# Altium PCB Interface_board.PcbDoc (part 3 of 3)
Units mm, origin at the board's own origin, x right, y up, seen from the top; angles counter-clockwise.
Board outline 158 x 108 mm, 4 copper layers (Component Side, GND, Power plane, Solder Side), stack 1.426 mm thick; 260 components, 154 nets, 862 pads, 877 vias.
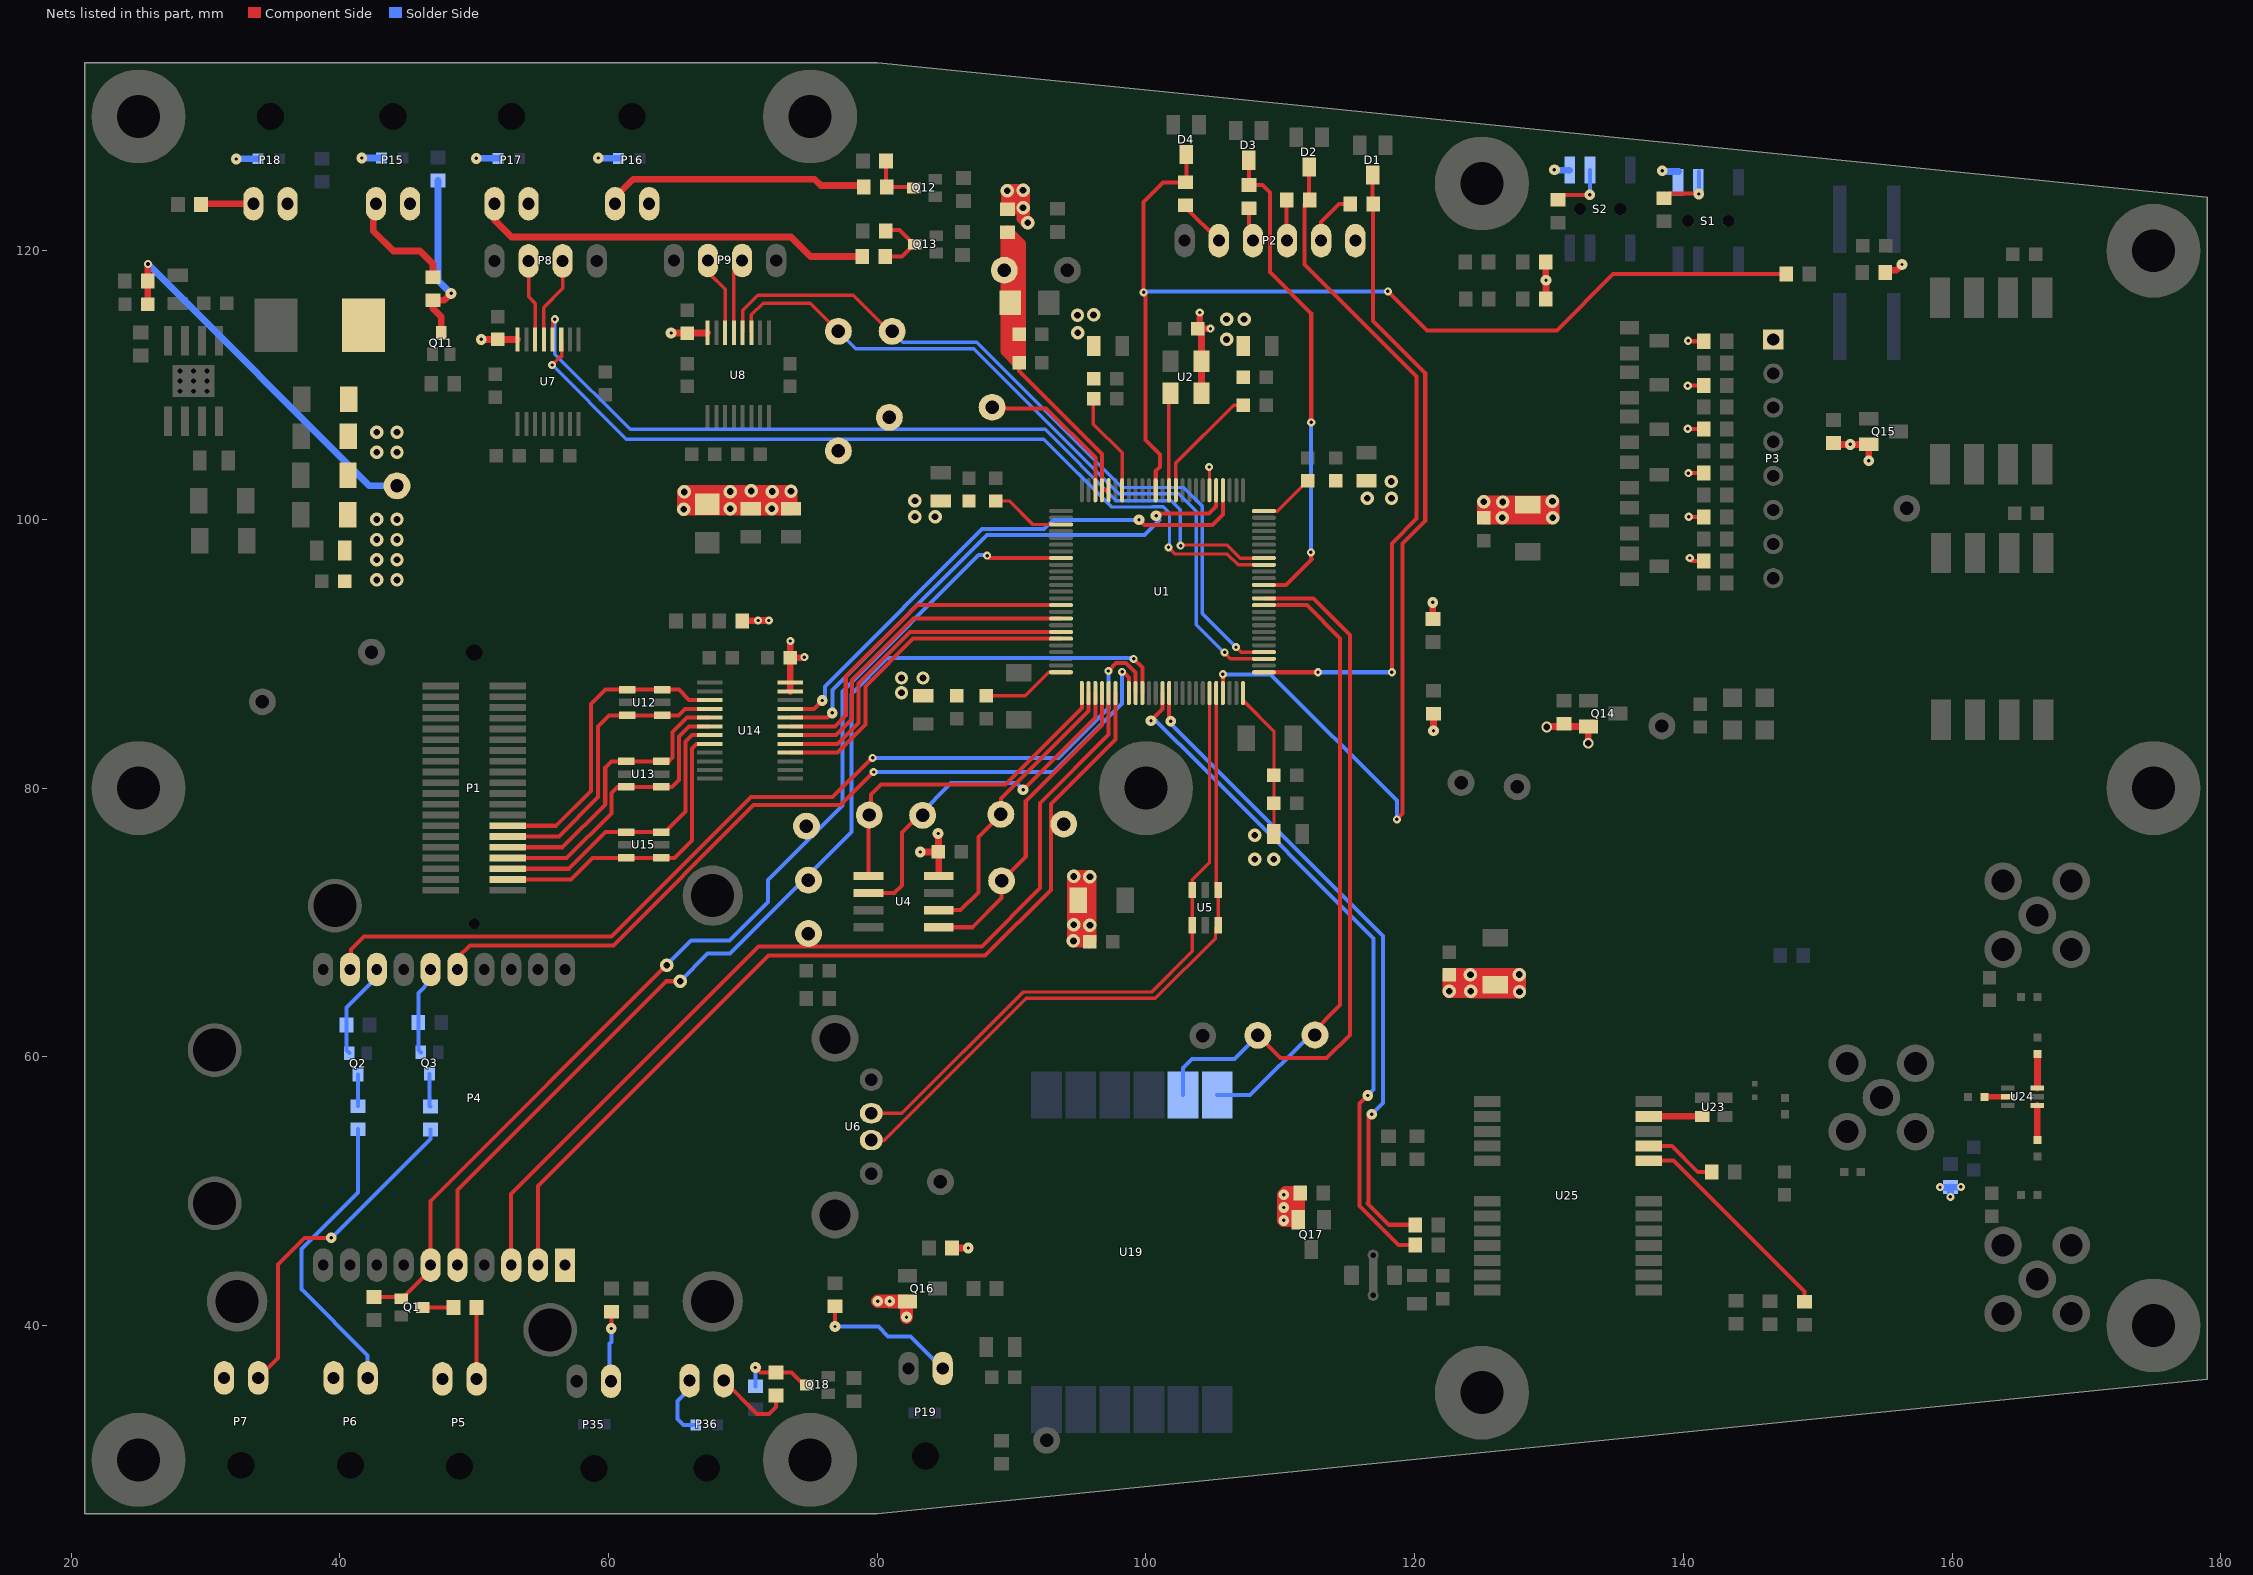
[diagram p5: the nets of this part, all layers, seen from the top]

## Via types
v1: diameter 0.6, hole 0.25, Component Side to Solder Side, 578 vias
v2: diameter 1, hole 0.5, Component Side to Solder Side, 175 vias
v3: diameter 0.8, hole 0.25, Component Side to Solder Side, 116 vias
v4: diameter 0.8, hole 0.5, Component Side to Solder Side, 4 vias
v5: diameter 2, hole 1, Component Side to Solder Side, 2 vias
v6: diameter 1.27, hole 0.711, Component Side to Solder Side, 1 vias
v7: diameter 0.6, hole 0.3, Component Side to Solder Side, 1 vias

## Nets (pads, with @x,y where several pads share a name; then routed paths per layer and width w, separated by ;. In a path a pad name is that pad's centre, name@x,y a point inside that pad or via, vN(x,y) a via of type N, cw(c..) or ccw(c..) an arc to the next point about the centre after c; other vN are vias at no path point) (continued)
NetFB12_1: FB12.1 U25.8 | length 16.4
  Component Side w0.3: U25.8@137.42,52.266 139.259,52.266 149,42.525 FB12.1@149,41.775
NetP1_28: P1.28 U12.1 U12.6 U14.3 | length 23.3
  Component Side w0.3: P1.28@52.5,77.2 56.1,77.2 58.7,79.8 58.7,86.25 59.775,87.325 U12.1@61.375,87.325 U12.6@63.996,87.325 65.225,87.325 66,86.55 U14.3@67.525,86.55
NetP1_30: P1.30 U12.3 U12.4 U14.4 | length 22.1
  Component Side w0.3: P1.30@52.5,76.4 56.3,76.4 59.225,79.325 59.225,84.6 60.035,85.41 U12.3@61.375,85.41 U12.4@63.996,85.41 65.185,85.41 65.675,85.9 U14.4@67.525,85.9
NetP1_32: P1.32 U13.1 U13.6 U14.5 | length 21.7
  Component Side w0.3: P1.32@52.5,75.6 56.55,75.6 59.75,78.8 59.75,81.55 60.2,82 U13.1@61.3,82 U13.6@63.921,82 64.475,82 64.74,82.265 64.74,84.165 65.825,85.25 U14.5@67.525,85.25
NetP1_34: P1.34 U13.3 U13.4 U14.6 | length 21.9
  Component Side w0.3: P1.34@52.5,74.8 56.875,74.8 60.2,78.125 60.2,79.625 60.66,80.085 U13.3@61.3,80.085 U13.4@63.921,80.085 64.69,80.085 64.7,80.075 65.225,80.6 65.225,83.85 65.975,84.6 U14.6@67.525,84.6
NetP1_36: P1.36 U14.7 U15.1 U15.6 | length 22.2
  Component Side w0.3: P1.36@52.5,74 57.05,74 59.775,76.725 U15.1@61.3,76.725 U15.6@63.921,76.725 64.2,76.725 65.725,78.25 65.725,83.475 66.2,83.95 U14.7@67.525,83.95
NetP1_38: P1.38 U14.8 U15.3 U15.4 | length 23.2
  Component Side w0.3: P1.38@52.5,73.2 57.2,73.2 58.81,74.81 U15.3@61.3,74.81 U15.4@63.921,74.81 64.91,74.81 66.2,76.1 66.2,82.95 66.55,83.3 U14.8@67.525,83.3
NetP2_2: P2.2 R7.1 | length 4.9
  Component Side w0.3: P2.2@113.04,119.91 P2.2@113.04,120.75 113.04,122.14 114.375,123.475 R7.1@115.2,123.475
NetP2_3: P2.3 R8.1 | length 3.4
  Component Side w0.3: R8.1@110.475,123.775 110.475,120.775 P2.3@110.5,120.75 P2.3@110.5,120.375
NetP2_4: P2.4 R9.1 | length 2.6
  Component Side w0.3: R9.1@107.65,123.175 107.65,121.06 P2.4@107.96,120.75
NetP2_5: P2.5 R16.1 | length 3.6
  Component Side w0.3: R16.1@102.95,123.375 102.95,123.22 P2.5@105.42,120.75
NetP4_13: P4.13 Q2.1 R34.2 | length 7.3
  Solder Side w0.3: Q2.1@40.7,60.275 40.486,60.489 R34.2@40.486,62.375 40.486,63.661 42.75,65.925 P4.13@42.75,66.5
NetP4_15: P4.15 Q3.1 R35.2 | length 6.6
  Solder Side w0.3: Q3.1@46.025,60.325 45.836,60.514 R35.2@45.836,62.55 45.836,64.761 46.75,65.675 P4.15@46.75,66.5
NetP5_2: P5.2 R30.2 | length 5.3
  Component Side w0.3: R30.2@50.164,41.35 50.164,36.031 P5.2@50.17,36.025
NetP6_2: P6.2 R31.2 | length 22.3
  Solder Side w0.3: R31.2@41.35,54.611 41.35,49.9 37.15,45.7 37.15,42.7 42.07,37.78 P6.2@42.07,36.1
NetP7_2: P7.2 R32.2 | length 25
  Component Side w0.3: P7.2@33.92,36.1 35.4,37.58 35.4,38.9 35.375,38.925 35.375,44.55 37.35,46.525 v3(39.35,46.525)
  Solder Side w0.3: v3(39.35,46.525) 39.375,46.525 46.725,53.875 R32.2@46.725,54.586
NetP8_2: P8.2 U7.14 | length 6.1
  Component Side w0.254: P8.2@54.04,119.25 54.04,116.56 54.525,116.075 U7.14@54.525,113.4
NetP8_3: P8.3 U7.13 | length 6.4
  Component Side w0.254: U7.13@55.175,113.4 55.175,115.775 56.6,117.2 56.6,119.23 P8.3@56.58,119.25
NetP9_2: P9.2 U8.14 | length 5.9
  Component Side w0.254: P9.2@67.42,119.25 67.42,118.38 68.675,117.125 U8.14@68.675,113.9
NetP9_3: P9.3 U8.13 | length 5.6
  Component Side w0.254: U8.13@69.325,113.9 69.325,118.615 P9.3@69.96,119.25
NetP15_2: P15.2 R54.2 | length 8.5
  Component Side w0.5: P15.2@42.48,123.5 42.48,121.47 43.975,119.975 45.95,119.975 46.925,119 R54.2@46.925,118.039
NetP16_2: P16.2 R56.2 | length 19.8
  Component Side w0.5: P16.2@60.48,123.5 60.48,123.98 61.825,125.325 75.325,125.325 75.8,124.85 78.886,124.85 R56.2@78.986,124.75
NetP17_2: P17.2 R58.2 | length 29.7
  Component Side w0.5: P17.2@51.5,123.5 51.5,122.3 52.775,121.025 73.575,121.025 75.025,119.575 R58.2@78.886,119.575
NetP18_2: P18.2 R60.2 | length 3.9
  Component Side w0.5: R60.2@29.664,123.45 29.714,123.5 P18.2@33.56,123.5
NetP19_2: P19.2 R68.2 | length 10.8
  Component Side w0.3: v3(76.85,39.925) R68.2@76.85,41.436
  Solder Side w0.3: v3(76.85,39.925) 80.075,39.925 80.8,39.2 82.47,39.2 P19.2@84.87,36.8
NetP35_2: P35.2 R85.2 | length 5.2
  Component Side w0.3: v3(60.2,39.775) 60.225,39.8 R85.2@60.225,41
  Solder Side w0.3: P35.2@60.07,35.9 60.07,38.645 60.2,38.775 v3(60.2,39.775)
NetP36_2: P36.2 R87.2 | length 6
  Component Side w0.3: P36.2@68.57,35.9 71.045,33.425 71.95,33.425 72.475,33.95 R87.2@72.475,34.786
NetQ1_3: Q1.3 R30.1 | length 2.3
  Component Side w0.3: Q1.3@46.175,41.35 R30.1@48.45,41.35
NetQ2_3: Q2.3 R31.1 | length 2.3
  Solder Side w0.3: R31.1@41.35,56.325 Q2.3@41.35,58.675
NetQ3_3: Q3.3 R32.1 | length 2.4
  Solder Side w0.3: Q3.3@46.675,58.725 46.675,56.35 R32.1@46.725,56.3
NetQ11_3: Q11.3 R53.1 R54.1 | length 13
  Component Side w0.5: Q11.3@47.55,113.9 47.55,115.075 46.925,115.7 R54.1@46.925,116.325 47.775,116.325 v3(48.275,116.825)
  Solder Side w0.5: R53.1@47.3,125.225 47.3,117.8 v3(48.275,116.825)
NetQ12_3: Q12.3 R55.1 R56.1 | length 4
  Component Side w0.3: R55.1@80.65,126.675 80.65,124.8 R56.1@80.7,124.75 82.625,124.75 Q12.3@82.7,124.675
NetQ13_3: Q13.3 R57.1 R58.1 | length 5.1
  Component Side w0.3: R58.1@80.6,119.575 81.825,119.575 Q13.3@82.725,120.475 ; R57.1@80.625,121.475 80.7,121.55 81.65,121.55 Q13.3@82.725,120.475 ; Q13.3@82.775,120.475 Q13.3@82.725,120.475
NetQ18_3: Q18.3 R87.1 R88.1 | length 5.8
  Component Side w0.3: v3(70.925,36.875) 71.3,36.5 R87.1@72.475,36.5 73.6,36.5 74.525,35.575 Q18.3@74.75,35.575
  Solder Side w0.3: R88.1@70.925,35.475 v3(70.925,36.875)
NetR24_1: R24.1 S1.2 | length 4.4
  Component Side w0.3: R24.1@138.55,123.9 138.9,124.25 141.125,124.25 v3(141.15,124.225)
  Solder Side w0.3: v3(141.15,124.225) S1.2@141.15,125.9
NetR27_1: R27.1 S2.2 | length 4.3
  Component Side w0.3: R27.1@130.675,123.8 131.025,124.15 133,124.15 v3(133.025,124.175)
  Solder Side w0.3: v3(133.025,124.175) 133.05,124.2 S2.2@133.05,126
NetR84_1: R84.1 U25.9 | length 5.5
  Component Side w0.28: U25.9@137.42,53.358 139.142,53.358 141.075,51.425 R84.1@142.1,51.425
NetTP1_1: TP1.1 U1.23 | length 11.7
  Component Side w0.3: TP1.1@88.55,108.425 88.7,108.275 92.55,108.275 96.225,104.6 U1.23@96.225,102.175
NetU1_12: U1.12 U2.3 | length 7.3
  Component Side w0.254: U1.12@101.725,102.175 101.7,102.2 101.7,108.85 101.8,108.95 101.8,109.35 U2.3@101.825,109.375
NRST: D4.3 R4.1 R16.2 U1.14 | length 78.7
  Component Side w0.3: U1.14@100.725,102.175 100.725,103.6 101.025,103.9 101.025,104.85 99.975,105.9 99.975,116.75 v1(99.825,116.9) 99.825,123.639 101.275,125.089 R16.2@102.95,125.089 103,125.139 D4.3@103,127.157 ; v1(118,116.975) 120.9,114.075 130.575,114.075 134.775,118.275 R4.1@147.65,118.275
  Solder Side w0.3: v1(99.825,116.9) 99.9,116.975 v1(118,116.975)
OTG_FS_DM: U1.70 U5.1 U5.6 U6.2 | length 48.6
  Component Side w0.25: U6.2@79.55,55.8 81.825,55.8 90.85,64.825 100.425,64.825 103.45,67.85 U5.1@103.45,69.8 U5.6@103.45,72.421 103.45,73.175 104.725,74.45 U1.70@104.725,87.075
OTG_FS_DP: U1.71 U5.3 U5.4 U6.3 | length 50.2
  Component Side w0.25: U6.3@79.55,53.8 80.525,53.8 91.075,64.35 100.7,64.35 105.175,68.825 105.175,69.61 U5.3@105.365,69.8 U5.4@105.365,72.421 105.225,72.561 U1.71@105.225,87.075
RF1: C113.2 U24.1 | length 2.3
  Component Side w0.5: U24.1@166.35,56.375 166.35,54.047 C113.2@166.36,54.037
RF2: C115.2 U24.3 | length 2.5
  Component Side w0.5: U24.3@166.35,57.675 166.361,57.686 C115.2@166.361,60.207
RF_IN: U23.3 U25.11 | length 4
  Component Side w0.5: U25.11@137.42,55.568 141.382,55.568 U23.3@141.4,55.55
RFC: C114.1 U24.5 | length 1.7
  Component Side w0.4: C114.1@162.425,57.025 U24.5@164.15,57.025
SPI2_MISO: TP12.1 U1.53 U4.2 | length 26.8
  Component Side w0.3: U4.2@79.35,72.185 81.26,72.185 81.825,72.75 81.825,76.7 TP12.1@83.1,77.975 ; v3(90.85,79.875) 96.225,85.25 U1.53@96.225,87.075
  Solder Side w0.3: TP12.1@83.1,77.975 85.5,80.375 90.35,80.375 v3(90.85,79.875)
SPI2_MOSI: TP13.1 U1.54 U4.5 | length 23.9
  Component Side w0.3: U4.5@84.566,69.645 87.07,69.645 89.25,71.825 TP13.1@89.25,73.1 91.05,74.9 91.05,79.025 96.725,84.7 U1.54@96.725,87.075
SPI2_NSS: TP10.1 U1.51 U4.1 | length 25.6
  Component Side w0.3: U4.1@79.35,73.455 79.35,77.95 TP10.1@79.4,78 79.525,78.125 79.525,79.525 80.275,80.275 89.55,80.275 95.225,85.95 U1.51@95.225,87.075
SPI2_SCK: TP11.1 U1.52 U4.6 | length 21.7
  Component Side w0.3: U4.6@84.566,70.915 86.19,70.915 87.525,72.25 87.525,76.375 TP11.1@89.2,78.05 89.2,79.225 95.725,85.75 U1.52@95.725,87.075
SWCLK: D2.3 R8.2 U1.76 | length 51.6
  Component Side w0.3: U1.76@108.775,88.625 v1(112.8,88.625) ; D2.3@112.15,126.232 R8.2@112.15,123.814 ; R8.2@112.189,123.775 R8.2@112.15,123.814 ; v1(118.3,88.625) 118.3,98.225 120.15,100.075 120.15,110.625 111.8,118.975 111.8,123.464 R8.2@112.15,123.814
  Solder Side w0.3: v1(112.8,88.625) 118.25,88.625 118.275,88.65 v1(118.3,88.625)
SWDIO: D1.3 R7.2 U1.72 | length 70.1
  Component Side w0.3: U1.72@105.725,87.075 v1(105.725,88.475) ; D1.3@116.875,125.632 116.875,123.514 R7.2@116.914,123.475 116.914,114.766 120.785,110.895 120.785,99.885 119.1,98.2 119.1,78.1 v1(118.675,77.675)
  Solder Side w0.3: v1(105.725,88.475) 109.275,88.475 118.675,79.075 v1(118.675,77.675)
SWO: D3.3 R9.2 U1.89 | length 36.9
  Component Side w0.3: D3.3@107.65,126.732 R9.2@107.65,124.889 108.686,124.889 109.225,124.35 109.225,118.4 112.3,115.325 v1(112.3,107.225) ; U1.89@108.775,95.125 110.425,95.125 112.35,97.05 112.275,97.125 v1(112.275,97.55)
  Solder Side w0.3: v1@112.225,107.4 112.3,107.325 v1(112.3,107.225) 112.35,107.175 112.275,107.1 v1(112.275,97.55)
TIM1_CH1: U1.40 U14.19 | length 25.6
  Component Side w0.3: U14.19@73.525,84.6 76.85,84.6 77.65,85.4 77.65,88.3 82.975,93.625 U1.40@93.675,93.625
TIM1_CH2: U1.42 U14.18 | length 25.4
  Component Side w0.3: U14.18@73.525,83.95 76.937,83.95 78.12,85.133 78.12,88.04 82.705,92.625 U1.42@93.675,92.625
TIM1_CH3: U1.44 U14.17 | length 25.3
  Component Side w0.3: U14.17@73.525,83.3 77.05,83.3 78.598,84.848 78.598,87.773 82.45,91.625 U1.44@93.675,91.625
TIM1_CH4: U1.45 U14.16 | length 25.3
  Component Side w0.3: U14.16@73.525,82.65 77.05,82.65 79.125,84.725 79.125,87.575 82.675,91.125 U1.45@93.675,91.125
TIM9_CH1: U1.4 U14.21 | length 40.8
  Component Side w0.3: U14.21@73.525,85.9 75.275,85.9 v3(75.9,86.525) ; v3(99.475,99.975) 99.875,99.575 104.937,99.575 105.735,100.373 105.725,100.383 U1.4@105.725,102.175
  Solder Side w0.3: v3(75.9,86.525) 76.1,86.725 76.1,87.575 87.8,99.275 92.4,99.275 93.1,99.975 v3(99.475,99.975)
TIM9_CH2: U1.5 U14.20 | length 41
  Component Side w0.3: U14.20@73.525,85.25 76.3,85.25 v3(76.65,85.6) ; v3(100.75,100.275) 100.9,100.425 104.675,100.425 105.225,100.975 U1.5@105.225,102.175
  Solder Side w0.3: v3(76.65,85.6) 76.65,87.3 88.175,98.825 99.875,98.825 101,99.95 100.75,100.2 v3(100.75,100.275)
UART2_RX: TP36.1 U1.87 U19.5 | length 54.2
  Component Side w0.3: TP36.1@108.325,61.6 110.025,59.9 113.45,59.9 115.175,61.625 115.175,91.4 112.45,94.125 U1.87@108.775,94.125
  Solder Side w0.3: U19.5@102.76,57.15 102.76,59.185 103.425,59.85 106.575,59.85 TP36.1@108.325,61.6
UART2_TX: TP37.1 U1.86 U19.6 | length 45.9
  Component Side w0.3: U1.86@108.775,93.625 111.975,93.625 114.45,91.15 114.45,63.85 TP37.1@112.2,61.6
  Solder Side w0.3: U19.6@105.3,57.15 107.75,57.15 TP37.1@112.2,61.6
UART6_RX: FB7.1 U1.64 | length 49.2
  Component Side w0.3: U1.64@101.725,87.075 101.725,85.1 v3(101.85,84.975) ; v3(116.8,55.725) 116.8,55.7 116.575,55.475 116.575,49.175 116.5,49.1 118.1,47.5 FB7.1@120.05,47.5
  Solder Side w0.3: v3(101.85,84.975) 101.85,84.78 117.625,69.005 117.625,56.55 v3(116.8,55.725)
UART6_TX: FB8.1 U1.63 | length 51.4
  Component Side w0.3: v3(100.375,85.025) 101.225,85.875 U1.63@101.225,87.075 ; v3(116.5,57.125) 115.9,56.525 115.9,48.9 118.8,46 FB8.1@120.05,46
  Solder Side w0.3: v3(100.375,85.025) 100.725,85.025 104.193,81.557 116.95,68.8 116.95,57.575 v3(116.5,57.125)
USART1_RX: TP20.1 U1.93 U7.12 | length 65.7
  Component Side w0.254: U7.12@55.825,113.4 55.825,114.725 v1(56,114.9) ; v1(102.575,98.05) 102.625,98.1 106.025,98.1 107,97.125 U1.93@108.775,97.125
  Solder Side w0.254: v1(56,114.9) 56,112.3 61.6,106.7 TP20.1@80.9,106.7 ; TP20.1@80.9,107.6 TP20.1@80.9,106.7 ; v1@102.55,98.05 102.55,100.725 101.875,101.4 97.8,101.4 92.5,106.7 TP20.1@80.9,106.7
USART1_TX: TP22.1 U1.92 U7.11 | length 63.9
  Component Side w0.254: v1(55.8,111.5) 56.4,112.1 56.5,112.1 56.5,113.375 U7.11@56.475,113.4 ; v1(101.675,97.925) 102.175,97.425 106.06,97.425 106.86,96.625 U1.92@108.775,96.625
  Solder Side w0.254: v1(55.8,111.5) 61.325,105.975 TP22.1@77.2,105.975 ; TP22.1@77.1,105.1 77.2,105.2 TP22.1@77.2,105.975 ; v1@101.75,97.925 101.75,100.475 101.273,100.952 100.47,100.952 100.443,100.925 97.451,100.925 92.401,105.975 TP22.1@77.2,105.975
USART3_CTS: P4.16 U1.58 | length 62.4
  Component Side w0.3: P4.16@48.75,66.5 48.75,67.375 49.675,68.3 60.35,68.3 70.785,78.735 77.26,78.735 v1(79.725,81.2) ; v1(98.225,88.65) 98.325,88.65 98.725,88.25 U1.58@98.725,87.075
  Solder Side w0.3: v1(79.725,81.2) 93.125,81.2 98.225,86.3 v1(98.225,88.65)
USART3_RTS: P4.12 U1.59 | length 72.2
  Component Side w0.3: P4.12@40.75,66.5 40.825,66.575 40.825,67.975 41.8,68.95 60.225,68.95 70.6,79.325 76.675,79.325 79.6,82.25 v1(79.65,82.25) ; v1(97.2,88.717) 97.783,89.3 98.525,89.3 99.225,88.6 U1.59@99.225,87.075
  Solder Side w0.3: v1(79.65,82.25) 93.5,82.25 97.2,85.95 v1(97.2,88.717)
USART3_RX: P4.2 TP14.1 U1.56 | length 69.8
  Component Side w0.3: P4.2@54.75,44.5 54.75,50.375 71.9,67.525 88.025,67.525 92.925,72.425 92.925,78.825 97.725,83.625 U1.56@97.725,87.075
USART3_TX: P4.3 TP15.1 U1.55 | length 70.7
  Component Side w0.3: P4.3@52.75,44.5 52.75,49.8 71.15,68.2 87.775,68.2 92.125,72.55 92.125,78.875 97.225,83.975 U1.55@97.225,87.075
USART4_RX: TP21.1 U1.79 U8.12 | length 57.3
  Component Side w0.254: U8.12@69.975,113.9 69.975,115.575 71.1,116.7 78.2,116.7 TP21.1@81.5,113.4 ; v1(106.7,90.5) 107.075,90.125 U1.79@108.775,90.125
  Solder Side w0.254: TP21.1@81.1,114 81.9,113.2 87.4,113.2 98.225,102.375 102.825,102.375 104.2,101 104.2,93 v1(106.7,90.5)
USART4_TX: TP23.1 U1.78 U8.11 | length 55.8
  Component Side w0.254: U8.11@70.625,113.9 70.625,115.225 71.5,116.1 75,116.1 TP23.1@77.1,114 ; v1(105.855,90.104) 105.855,90.045 106.26,89.64 106.779,89.64 106.794,89.625 U1.78@108.775,89.625
  Solder Side w0.254: TP23.1@77.1,114 78.4,112.7 87.175,112.7 97.975,101.9 102.45,101.9 103.75,100.6 103.75,92.15 105.796,90.104 v1(105.855,90.104)
VDD: C1.2 C5.2 C6.2 C7.2 C8.2 C9.2 C10.2 C11.2 C12.2 C13.1 C14.2 C15.2 C16.2 C17.2 C18.2 C19.2 C20.2 C21.2 C22.2 C23.2 C24.2 C25.2 C30.2 C31.2 C32.2 C33.2 C34.2 C35.2 C36.2 C41.2 C43.2 C44.2 C47.2 C50.2 C75.2 C76.2 C77.2 C79.2 C80.2 D16.A D17.A D18.A D19.A D29.A FB2.1 FB6.2 L1.2 P2.1 P3.1 P4.1 P5.1 P6.1 P7.1 P15.1 P16.1 P17.1 P18.1 P36.1 Q14.2 Q15.2 Q16.2 Q17.2 R1.2 R2.2 R3.2 R5.2 R10.2 R11.2 R12.2 R13.2 R14.2 R15.2 R23.2 R26.2 R51.2 R64.2 R65.2 R66.2 R83.2 S1.3 S2.3 TP9.1 U1.6 U1.11 U1.19 U1.28 U1.50 U1.75 U1.100 U2.1 U2.4 U4.8 U7.16 U8.16 U14.23 U14.24 | length 242.3
  Component Side w0.254: C50.2@65.85,113.875 65.875,113.9 U8.16@67.375,113.9 ; C19.2@88.125,86.875 91.025,86.875 92.775,88.625 U1.50@93.675,88.625 ; C17.2@88.875,101.425 C17.2@88.825,101.375 89.825,101.375 91.575,99.625 U1.28@93.675,99.625 ; C10.2@96.125,108.975 96.075,108.925 96.075,107.1 98.223,104.952 98.223,102.177 U1.19@98.225,102.175 ; U1.11@102.225,102.175 102.225,104.2 106.525,108.5 C8.2@107.25,108.5 ; v1(104.7,103.9) 104.725,103.875 U1.6@104.725,102.175 ; U1.75@107.225,87.075 107.225,86.525 109.525,84.225 C23.2@109.525,80.975 C22.2@109.525,78.875 C20.2@109.525,76.575 ; U1.100@108.775,100.625 109.768,100.625 109.875,100.732 109.882,100.732 C24.2@112.025,102.875 ; C23.2@109.175,80.975 C23.2@109.175,81.375
  Component Side w0.3: v1(140.325,106.75) 140.357,106.718 R12.2@141.525,106.718 ; v1(140.325,109.95) 140.339,109.964 R11.2@141.525,109.964 ; v1(140.35,113.3) 140.386,113.264 R10.2@141.525,113.264 ; v1(140.375,103.45) 140.38,103.445 R13.2@141.525,103.445 ; v1(140.4,100.2) 140.427,100.173 R14.2@141.525,100.173 ; v1(140.475,97.125) 140.475,97.062 140.637,96.9 R15.2@141.525,96.9
  Component Side w0.5: C30.2@25.7,116.025 25.7,117.739 R5.2@25.689,117.75 25.689,118.989 v7(25.7,119) ; L1.2@41.75,114.45 L1.2@41.75,114.925 ; v3(50.525,113.4) C47.2@51.75,113.4 U7.16@53.225,113.4 ; v3(64.65,113.875) C50.2@65.85,113.875 67.35,113.875 U8.16@67.375,113.9 ; R51.2@69.939,92.45 71.1,92.45 v1(71.125,92.475) v1(71.925,92.475) ; U14.23@73.525,87.2 U14.24@73.525,87.85 v1(73.525,90.95) ; C77.2@73.525,89.7 74.525,89.7 v1(74.575,89.75) ; v3(83.2,75.25) C41.2@84.55,75.25 ; v3(84.525,76.625) 84.55,76.6 C41.2@84.55,75.25 ; U4.8@84.566,73.455 84.566,75.234 C41.2@84.55,75.25 ; R66.2@85.564,45.775 v3(86.775,45.775) ; v1(104,115.4) 104,114.35 C1.2@103.85,114.2 C1.2@104.125,114.2 ; U2.4@104.125,109.375 U2.1@104.125,111.775 C1.2@104.125,114.2 ; v1(104.8,114.2) C1.2@104.125,114.2 ; R1.2@121.35,92.589 v3(121.35,93.825) ; v3(121.4,84.275) R2.2@121.4,85.536 ; R23.2@129.764,116.4 129.775,116.411 v3(129.775,117.8) 129.764,117.811 R26.2@129.764,119.15 ; v4(129.825,84.55) 129.86,84.585 Q14.2@132.925,84.585 v4(132.925,83.35) ; R65.2@151.175,105.686 151.277,105.585 v3(152.425,105.585) Q15.2@153.8,105.585 v3(153.8,104.375) ; R3.2@155.039,118.375 155.214,118.55 155.85,118.55 v3(156.275,118.975)
  Component Side w1: 66.225,101.425 66.275,101.475 73.55,101.475 73.55,100.925 73.575,100.9 v2(73.575,102.1) 73.55,102.075 v2(72.175,102.075) 70.675,102.075 v2(70.625,102.125) 70.575,102.075 v2(69.05,102.075) 65.65,102.075 v2(65.625,102.05) 65.6,102.025 v2(65.6,100.75) 65.65,100.8 v2(69.05,100.8) v2(72.15,100.8) C11.2@73.575,100.8 ; v3(80.025,41.8) v3(80.925,41.8) ; v3(82.175,40.625) Q16.2@82.175,41.785 ; Q16.2@82.25,41.785 Q16.2@82.175,41.785 ; FB2.1@89.7,123.1 89.7,124.45 v2(89.675,124.475) 90.825,124.475 v2(90.85,124.5) v2(90.85,123.2) ; v2@90.75,124.325 90.75,124.2 89.775,123.225 89.8,123.2 v2(90.85,123.2) ; v2(91.2,122.075) 90.85,122.425 v2(90.85,123.2) ; 95.225,72.8 95.225,69.125 95.25,69.1 95.3,69.1 95.775,68.625 v2(94.6,68.625) 94.625,68.65 v2(94.625,69.825) v2(94.625,73.425) 94.65,73.4 v2(95.825,73.4) v2(95.825,69.8) C76.2@95.825,68.55 ; 111.31,48.9 111.335,48.875 ; C80.2@122.575,66.1 v2(124.15,66.1) ; C44.2@125.125,100.125 v2(126.525,100.125) v2(130.275,100.125) 130.275,101.325 v2(130.25,101.35) 130.2,101.3 v2(126.55,101.3) 125.175,101.3 v2(125.15,101.325) 125.15,100.25 125.6,100.7 129.425,100.7 ; v3(80.925,41.8) 82.15,41.8 82.175,41.825 Q16.2@82.175,41.785 ; v3(80.925,41.8) 80.94,41.785 Q16.2@82.175,41.785 ; v3(110.25,48.786) 110.397,48.786 R83.2@111.335,49.723 ; v3(110.25,48.786) v3(110.25,49.725) 110.4,49.875 R83.2@111.486,49.875 R83.2@111.335,49.723 ; v3(110.25,48.786) v3(110.25,47.825) 111.285,47.825 Q17.2@111.335,47.875 ; v3(110.25,48.786) 111.161,47.875 Q17.2@111.335,47.875 ; Q17.2@111.335,47.875 111.335,48.875 ; 111.335,48.875 R83.2@111.335,49.723 ; 122.575,65.475 122.625,65.525 127.1,65.525 127.225,65.65 127.225,66.1 ; 122.575,65.475 v2(122.575,64.875) v2(124.175,64.875) 124.2,64.85 v2(127.8,64.85) 127.775,64.875 v2(127.775,66.125) 127.75,66.1 127.225,66.1 ; 122.575,65.475 122.575,66.075 124.125,66.075 v2(124.15,66.1) ; v2(124.15,66.1) 127.225,66.1
  Solder Side w0.3: P36.1@66.03,35.9 66.03,35.28 65.125,34.375 65.125,33.05 65.575,32.6 D29.A@66.487,32.6
  Solder Side w0.5: v7(25.7,119) 42.2,102.5 TP9.1@44.25,102.5 ; v3(32.275,126.825) 32.3,126.85 D19.A@33.887,126.85 ; v3(41.625,126.9) D16.A@43.087,126.9 ; v3(50.15,126.875) D18.A@51.762,126.875 ; v3(59.225,126.9) 59.25,126.875 D17.A@60.737,126.875 ; v3(130.4,126.025) 130.425,126 S2.3@131.55,126 ; v3(138.425,125.95) 138.475,125.9 S1.3@139.65,125.9 ; FB6.2@159.875,50.311 FB6.2@159.875,50.3 ; v1(160.65,50.325) 160.625,50.3 FB6.2@159.875,50.3 ; FB6.2@159.875,50.275 v1(159.875,49.575) 159.9,49.6 159.9,50.275 FB6.2@159.875,50.275 ; FB6.2@159.875,50.275 FB6.2@159.875,50.3 ; FB6.2@159.875,50.275 159.125,50.275 v1(159.1,50.3) FB6.2@159.875,50.3
  other v2: 108.1,74.7 109.5,74.7 108.1,76.5 81.8,87.1 81.8,88.2 83.4,88.2 42.75,95.5 44.25,95.5 42.75,97 44.25,97 42.75,98.5 44.25,98.5 42.75,100 44.25,100 82.8,100.2 84.3,100.2 82.8,101.4 116.475,101.575 118.275,101.575 118.25,102.825 42.75,105 44.25,105 42.75,106.5 44.25,106.5 106,113.4 94.925,113.9 106,114.9 107.3,114.9 94.9,115.2 96.1,115.225
VDDA: C26.1 C27.2 C28.2 FB2.2 TP7.1 U1.21 U1.22 | length 33.9
  Component Side w0.3: C28.2@90.55,111.675 90.55,111.05 96.725,104.875 U1.22@96.725,102.175 U1.21@97.225,102.175
  Component Side w1: FB2.2@89.7,121.386 FB2.2@89.678,121.364 ; C26.1@89.678,116.35 FB2.2@89.678,121.364 ; C26.1@89.678,116.35 C26.1@90.55,115.478 ; C26.1@89.678,116.35 89.678,112.547 C28.2@90.55,111.675 C27.2@90.55,113.8 C26.1@90.55,115.478 ; FB2.2@89.678,121.364 90.55,120.492 C26.1@90.55,115.478
XBEE_RESET: P4.5 TP16.1 U1.60 | length 81.2
  Component Side w0.3: P4.5@48.75,44.5 48.75,50.1 64.275,65.625 v2(65.325,65.625) ; v1(99.075,89.625) 99.725,88.975 U1.60@99.725,87.075
  Solder Side w0.3: v2(65.325,65.625) 67.375,67.675 69.025,67.675 78.075,76.725 78.075,87.025 80.725,89.675 99.025,89.675 v1(99.075,89.625)
XBEE_RSSI: P4.6 Q1.1 R33.1 TP17.1 U1.33 | length 83.1
  Component Side w0.3: R33.1@42.525,42.125 44.45,42.125 Q1.1@44.575,42 44.625,42 46.75,44.125 P4.6@46.75,44.5 46.75,49.25 v2(64.325,66.825) ; v1(88.175,97.3) 88.35,97.125 U1.33@93.675,97.125
  Solder Side w0.3: v2(64.325,66.825) 66.15,68.65 69,68.65 71.875,71.525 71.875,73.175 77.4,78.7 77.4,87.2 87.55,97.35 v1@88.15,97.35
pads on no net: D1.2 D2.2 D3.2 D4.2 D5.2 D6.2 D7.2 D8.2 D9.2 D10.2 P4.4 P4.7 P4.8 P4.9 P4.17 P4.18 P4.19 P4.20 P5. P6. P7. P15. P16. P17. P18. P19. P35. P36. S1.0 S2.0 U1.1 U1.2 U1.3 U1.7 U1.8 U1.9 U1.13 U1.38 U1.39 U1.41 U1.43 U1.46 U1.57 U1.62 U1.77 U1.80 U1.84 U1.85 U1.88 U1.90 U1.91 U1.97 U1.98 U7.7 U7.8 U7.9 U7.10 U8.7 U8.8 U8.9 U8.10 U14.9 U14.10 U17.5 U17.6 U17.7 U17.8 U18.5 U18.6 U18.7 U18.8 U19.1 U19.3 U19.4 U19.8 U19.9 U19.10 U19.11 U25.1 U25.2 U25.5 U25.6 U25.7 U25.14 U25.15 U25.16 U25.17

## Polygon pours and split planes (outlines as drawn)
VDD on Component Side "VDD_L01_P051" (solid, pour order 51): 106.7,108.05 107.7,108.05 107.7,112.95 107.7,114.95 107.3,115.45 106,115.45 105.5,114.95 105.5,113.15 106.7,111.95
VDD on Component Side "VDD_L01_P050" (solid, pour order 50): 95.6,108.5 96.6,108.5 96.6,113.4 96.6,115.4 96.2,115.9 94.9,115.9 94.4,115.4 94.4,113.6 95.6,112.4
VDD on Component Side "VDD_L01_P048" (solid, pour order 48): 89.4,100.9 89.4,101.9 84.5,101.9 82.5,101.9 82,101.5 82,100.2 82.5,99.7 84.3,99.7 85.5,100.9
VDD on Component Side "VDD_L01_P046" (solid, pour order 46): 111.6,103.4 111.6,102.4 114.8,102.4 116.2,101 117.5,101 118.5,101 119,101.5 119,103.1 118.9,103.2 118.7,103.4 117.5,103.4
VDD on Component Side "VDD_L01_P045" (solid, pour order 45): 110,81.4 109,81.4 109,78.2 107.6,76.8 107.6,75.5 107.6,74.5 108.1,74 109.7,74 109.8,74.1 110,74.3 110,75.5
VDD on Component Side "VDD_L01_P044" (solid, pour order 44): 88.6,86.4 88.6,87.4 85.4,87.4 84,88.8 82.7,88.8 81.7,88.8 81.2,88.3 81.2,86.7 81.3,86.6 81.5,86.4 82.7,86.4
+5V on Component Side "+5V_L01_P034" (solid, pour order 34): 30.2,108.565 30.2,95.425 28.975,94.2 26.7,94.2 26.7,108.61
NetC29_1 on Component Side "NETC29_1_L01_P035" (solid, pour order 35): 30.65,112.15 30.65,115.3 30.95,115.6 32.85,117.5 36.8,117.5 37.3,117.5 38.05,116.75 38.05,112.5 37.4,111.85 30.95,111.85 30.65,112.15
GND on Component Side "GND_L01_P036" (solid, pour order 36): 24.5,111.725 38.05,111.725 38.7,111.075 38.7,94.975 38.1,94.375 32.375,94.375 30.675,96.075 30.675,108.675 30.5,108.85 26.25,108.85 24.45,108.85 24,109.3 24,111.225
+5V on Component Side "+5V_L01_P037" (solid, pour order 37): 49.912,84.25 49.912,87.837 47.5,90.25 30.575,90.25 26.713,94.112 26.713,96.05 30.075,96.05 31.788,94.337 49.912,94.337 54.587,89.663 54.587,84.25 53.794,83.456 50.706,83.456
VDD on Component Side "VDD_L01_P038" (solid, pour order 38): 39.75,95 39.75,116.5 40.25,117 44.25,117 45.25,116 45.25,95 44.75,94.5 40.25,94.5
GND on Component Side "GND_L01_P039" (solid, pour order 39): 49,88 48,89 44.5,89 43,87.5 43,72.5 44.5,71 48,71 49,72
GND on Component Side "GND_GNSS_50ohm" (solid, pour order 42): 134.883,52.775 162.85,52.775 162.85,42.225 164.575,40.5 168.2,40.5 170.1,42.4 170.1,72.85 162.85,72.85 162.85,60.35 134.841,60.35
GND on Component Side "GND_L01_P054" (solid, pour order 54): 24.526,27.566 22.526,29.566 22.526,130.066 25.026,132.566 79.989,132.566 177.526,122.744 177.526,37.9 173.05,37.9 171.852,40.702 175.575,44.679 175.575,73.314 169.9,78.989 159.111,78.989 145.325,65.203 123.872,65.203 120.418,61.75 120.418,57.507 118.162,55.25 118.162,52.274 115.681,49.794 115.2,48.125 115.2,46.1 113.669,46.1 113.669,41.331 115.681,41.331 117.575,39.437 126.038,39.437 129.15,36.325 164.5,36.325 164.5,35.75 79.989,27.566
GND on Component Side "GNSS_GND_1" (solid, pour order 56): 120.659,56.625 119.007,55.207 118.425,54.625 118.425,52.675 115.575,49.825 115.5,49.75 115.5,45.975 113.275,45.975 113.275,41.575 115.5,41.575 117.4,39.675 125.975,39.675 129.15,36.5 163.525,36.5 170.887,36.5 170.887,40.462 175.175,44.75 175.175,72.45 168.75,72.45 168.75,40.9 163.525,40.9 163.525,46.525 164.86,47.86 164.86,55.7 159.35,55.7 157.9,54.25 135.75,54.25 135.75,58.7 137.45,60.155 160.405,60.155 162.35,58.7 164.86,58.7 164.86,69.19 163.862,70.187 163.862,72.45 175.175,72.45 175.175,73.725 169.9,79 159.25,79 145.362,65.112 129.725,65.112 128.269,63.656 122.625,63.656 120.659,61.691
GND on GND "GND_L02_P040" (solid, pour order 40): 24.537,27.572 22.537,29.572 22.537,130.072 25.037,132.572 80,132.572 177.537,122.75 177.537,37 80,27.572
VDD on Power plane "VDD_PLANE" (solid, pour order 41): 26,28.5 23.5,31 23.5,130 25,131.5 80,131.5 175.375,122.125 176.5,121 176.5,40.25 174.5,38 80,28.5
no net on Top Solder "NONET_L02_P-001" (solid, pour order 32): 140.525,59.65 164.95,59.65 164.95,54.25 140.525,54.25
no net on Top Solder "NONET_L02_P-001" (solid, pour order 33): 138.462,56.775 144.225,56.775 144.225,54.25 138.462,54.25
GND on Solder Side "GND_PLANE" (solid, pour order 52): 24.526,27.541 22.526,29.541 22.526,130.041 25.026,132.541 79.989,132.541 177.526,122.719 177.526,36.969 79.989,27.541

## Keep-outs
Component Side:
  lines w0.1: 113.612,41.375 115.725,41.375 117.175,39.925 ; 113.75,46.15 115.2,46.15 115.2,48.125 115.575,48.5 ; 116.925,51.2 117.3,51.575 ; 120.6,55.25 120.6,61.75 122.625,63.775 ; 117.175,39.925 117.175,39.925 ; 122.625,63.775 128.15,63.775 ; 122.625,63.775 128.15,63.775 ; 128.15,63.775 129.625,65.25 ; 128.15,63.775 129.625,65.25 ; 129.15,36.5 126.725,38.925 129.15,36.5 ; 129.15,36.5 170.475,36.5 ; 129.15,36.5 170.475,36.5 ; 129.625,65.25 145.5,65.25 ; 129.625,65.25 145.5,65.25 ; 145.5,65.25 159.25,79 ; 145.5,65.25 159.25,79 ; 159.25,79 169.9,79 ; 159.25,79 169.9,79 ; 169.9,79 175.35,73.55 ; 169.9,79 175.35,73.55 ; 170.475,36.5 171.05,37.075 ; 170.475,36.5 171.05,37.075 ; 171.05,37.075 171.05,41.775 ; 171.05,37.075 171.05,41.775 ; 171.05,41.775 173.2,43.925 ; 171.05,41.775 173.2,43.925 ; 173.2,43.925 174.525,43.925 ; 173.2,43.925 174.525,43.925 ; 174.525,43.925 175.35,44.75 ; 174.525,43.925 175.35,44.75 ; 175.35,44.75 175.35,73.55 ; 175.35,44.75 175.35,73.55
GND:
  lines w0.1: 115.55,41.55 118.125,38.975 123.075,38.975 126.65,38.975 129.075,36.55 170.4,36.55 170.975,37.125 170.975,41.825 173.125,43.975 174.45,43.975 175.275,44.8 175.275,73.6 169.825,79.05 159.175,79.05 145.425,65.3 129.55,65.3 128.075,63.825 122.55,63.825 120.425,61.7 120.425,55.1 116.525,51.2 116.525,48.8 115.65,47.925 115.65,46.275
Solder Side:
  lines w0.1: 113.725,46.125 115.175,46.125 115.175,48.1 115.55,48.475 115.568,49.887 117.58,51.847 ; 119.575,56.25 119.814,56.25 120.575,57.011 120.575,61.725 122.6,63.75 ; 146.975,66.725 145.475,65.225 129.6,65.225 ; 148.325,36.475 170.45,36.475 ; 148.7,68.45 159.225,78.975 169.875,78.975 ; 122.6,63.75 128.125,63.75 ; 122.6,63.75 128.125,63.75 ; 128.125,63.75 129.6,65.225 ; 128.125,63.75 129.6,65.225 ; 169.875,78.975 175.325,73.525 ; 169.875,78.975 175.325,73.525 ; 170.45,36.475 171.025,37.05 ; 170.45,36.475 171.025,37.05 ; 171.025,37.05 171.025,41.75 ; 171.025,37.05 171.025,41.75 ; 171.025,41.75 173.175,43.9 ; 171.025,41.75 173.175,43.9 ; 173.175,43.9 174.5,43.9 ; 173.175,43.9 174.5,43.9 ; 174.5,43.9 175.325,44.725 ; 174.5,43.9 175.325,44.725 ; 175.325,44.725 175.325,73.525 ; 175.325,44.725 175.325,73.525

## Silkscreen, mask and mechanical layers (free items; w line width, h text height)
Bottom Overlay:
  text "-" at 102.275,125.225 h1 r270
  text "-" at 71.475,125.175 h1 r270
  text "+" at 115,125.075 h1 r270
  text "+5V" at 64.85,125.05 h1 r270
  text "SWDIO" at 112.325,124.9 h1 r270
  text "SWO" at 107.175,124.875 h1 r270
  text "NRST" at 104.675,124.775 h1 r270
  text "SWCLK" at 109.725,124.775 h1 r270
  text "RS232 OUT" at 66.75,123.225 h1 r270
  text "RS232 IN" at 69.225,123.2 h1 r270
  text "RESET" at 153.125,109.475 h1 r270
  text "Avionics of RORO / Interface board v1.0 / Designed by Michael Pellet / & team DUSTER  / EPFL, spring 2017 / Manufactured by Wurth elektronik" at 156.1,85.1 h1.52 r270.22
Top Solder:
  rectangle: 163.35,40.35 169.3,73.4
Mechanical 2:
  drawing of 295 lines, arcs and shapes, not listed
  text "Layer" at 23.393,177.279 h1.52
  text "Name" at 33.805,177.279 h1.52
  text "Material" at 57.674,177.279 h1.52
  text "Thickness" at 79.512,177.279 h1.52
  text "Constant" at 96.018,177.279 h1.52
  text "Board Layer Stack" at 110.492,177.279 h1.52
  text "1" at 23.393,174.231 h1.52
  text "Top Overlay" at 33.805,174.231 h1.52
  text "2" at 23.393,171.183 h1.52
  text "Top Solder" at 33.805,171.183 h1.52
  text "Solder Resist" at 57.674,171.183 h1.52
  text "0.010mm" at 79.512,171.183 h1.52
  text "3.5" at 96.018,171.183 h1.52
  text "3" at 23.393,168.135 h1.52
  text "Component Side" at 33.805,168.135 h1.52
  text "Copper" at 57.674,168.135 h1.52
  text "0.035mm" at 79.512,168.135 h1.52
  text "4" at 23.393,165.087 h1.52
  text "Dielectric 1" at 33.805,165.087 h1.52
  text "FR-4" at 57.674,165.087 h1.52
  text "0.288mm" at 79.512,165.087 h1.52
  text "4.5" at 96.018,165.087 h1.52
  text "5" at 23.393,162.039 h1.52
  text "GND" at 33.805,162.039 h1.52
  text "Copper" at 57.674,162.039 h1.52
  text "0.035mm" at 79.512,162.039 h1.52
  text "6" at 23.393,158.991 h1.52
  text "Dielectric 4" at 33.805,158.991 h1.52
  text "FR-4" at 57.674,158.991 h1.52
  text "0.710mm" at 79.512,158.991 h1.52
  text "4.5" at 96.018,158.991 h1.52
  text "7" at 23.393,155.943 h1.52
  text "Power plane" at 33.805,155.943 h1.52
  text "Copper" at 57.674,155.943 h1.52
  text "0.035mm" at 79.512,155.943 h1.52
  text "8" at 23.393,152.895 h1.52
  text "Dielectric 3" at 33.805,152.895 h1.52
  text "FR-4" at 57.674,152.895 h1.52
  text "0.288mm" at 79.512,152.895 h1.52
  text "4.5" at 96.018,152.895 h1.52
  text "9" at 23.393,149.847 h1.52
  text "Solder Side" at 33.805,149.847 h1.52
  text "Copper" at 57.674,149.847 h1.52
  text "0.035mm" at 79.512,149.847 h1.52
  text "10" at 23.393,146.799 h1.52
  text "Bottom Solder" at 33.805,146.799 h1.52
  text "Solder Resist" at 57.674,146.799 h1.52
  text "0.010mm" at 79.512,146.799 h1.52
  text "3.5" at 96.018,146.799 h1.52
  text "11" at 23.393,143.751 h1.52
  text "Bottom Overlay" at 33.805,143.751 h1.52
Mechanical 3:
  the board outline again, w0.4

## Dimensions
179,36 to 80,26 on Mechanical 4
80,26 to 179,36 on Mechanical 4
21,134 to 21,26 on Mechanical 4
21,134 to 179,124 on Mechanical 4